# Allegro board T736_DEMO_CORE_AXP8191_LP4_4X_32X1_V0_5-draft.brd (continued)
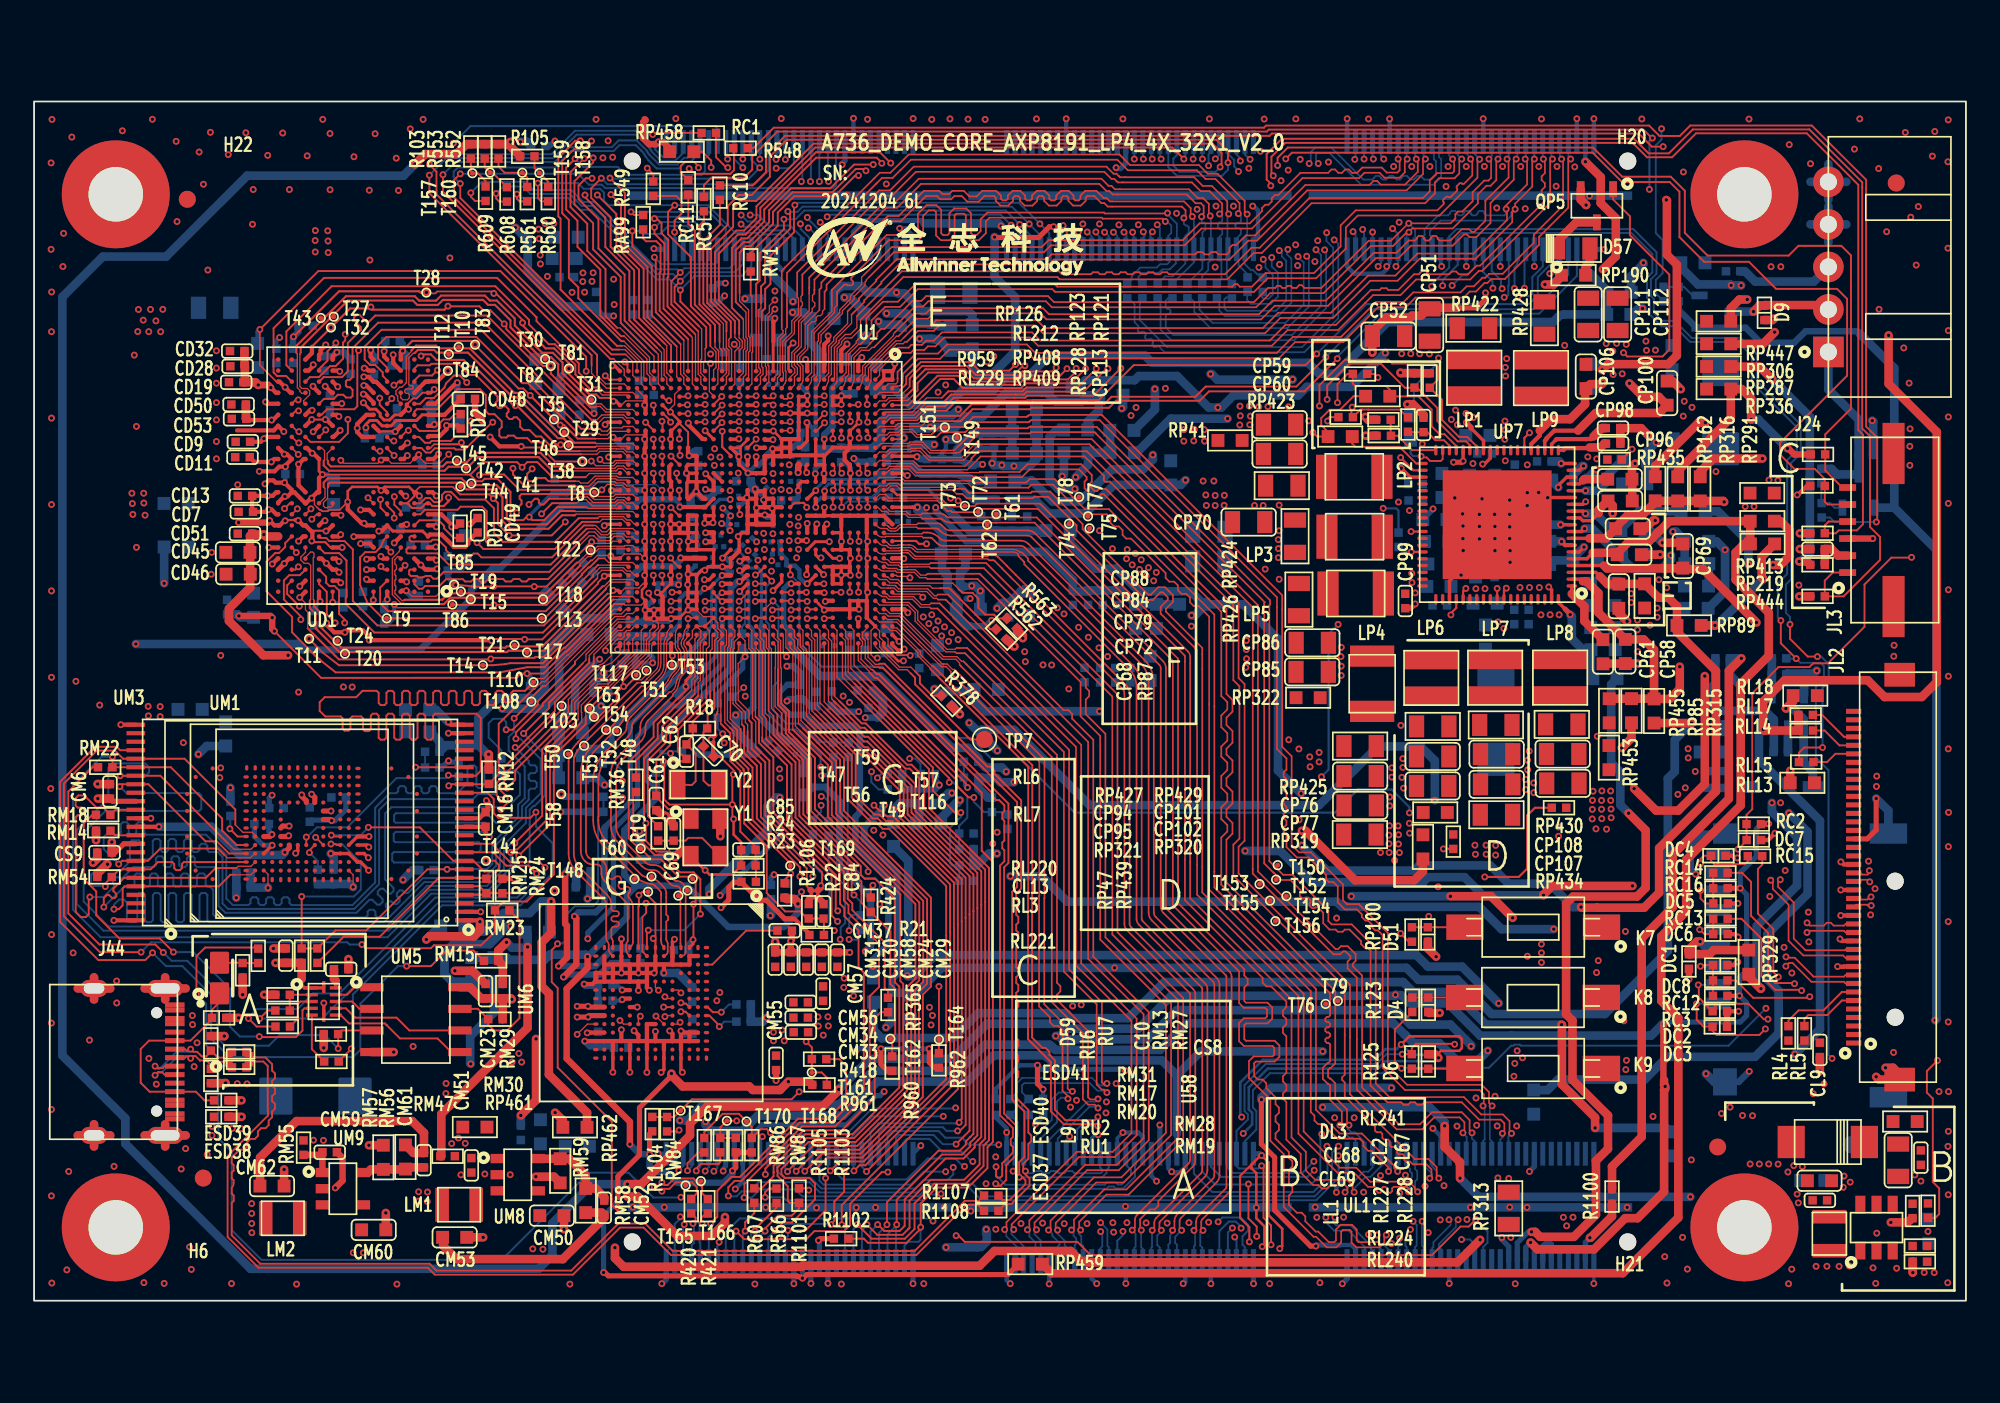
[diagram p0: board, top side]
## Routing (per net, layer and track width the routed paths; a pad name or vN(x,y) marks a point on that pad's centre or on a via; arc(x,y) is an arc through that point) (continued)
  BOTTOM w0.112: v1(57.88,7.26) 58.09,7.26 58.09,7.26 62.76,7.26 63.01,7.51 63.01,7.69 63.14,7.82 J48.85
USB0-DM-C: length 62.2
  TOP w0.112: RU2.1 12.81,14.3 13.59,14.3 13.98,13.91 13.98,13.53 14.16,13.36 14.16,13.08 13.98,12.91 13.98,12.64 14.16,12.47 14.16,12.19 13.98,12.02 13.98,11.74 14.16,11.57 14.16,11.3 13.98,11.12 13.98,10.99 13.98,10.79 13.79,10.59 13.79,10.33 13.6,10.14 13.34,10.14 13.15,9.96 13.15,9.69 12.97,9.51 12.71,9.51 12.52,9.33 12.52,9.06 12.34,8.88 12.07,8.88 11.61,8.42 11.61,8.09 11.72,7.98 11.72,7.65 11.61,7.53 11.61,7.2 11.72,7.09 11.72,6.91 arc(11.69,6.76) 11.61,6.64 11.61,6.3 11.73,6.19 11.73,5.86 11.61,5.75 11.61,3.85 13.29,2.18 23.24,2.18 23.64,1.77 31.56,1.77 34.33,4.54 35.91,4.54 37.52,2.93 51.74,2.93 54.68,5.87 55.5,5.87 R1107.2
USB0-DP: length 46.8
  TOP w0.076: U1.D32 48.92,38.95 49,38.88 49,37.84 49.43,37.41 49.62,37.41 49.66,37.44 49.67,37.44
  TOP w0.112: 49.67,37.44 49.96,37.44 56.01,31.4 56.18,31.4 56.42,31.16 56.42,30.99 57.99,29.42 57.99,24.24 57.7,23.95 57.7,23.61 57.83,23.49 57.83,23.15 57.7,23.03 57.7,22.69 57.83,22.57 57.83,22.23 57.7,22.11 57.7,21.77 57.83,21.65 57.83,21.31 57.7,21.19 57.7,19.6 57.83,19.48 57.83,19.14 57.7,19.02 57.7,18.68 57.83,18.56 57.83,18.22 57.7,18.1 57.7,17.76 57.83,17.64 57.83,17.3 57.7,17.18 57.7,15.45 57.83,15.32 57.83,14.99 57.7,14.86 57.7,14.53 57.83,14.4 57.83,14.07 57.7,13.94 57.7,13.61 57.83,13.48 57.83,13.15 57.7,13.02 57.7,11.93 58.42,11.22 58.42,9.89 58.59,9.72 58.59,9.38 58.42,9.21 58.42,8.35 58.12,8.05 58.12,7.75 v1(58.24,7.62) 58.24,7.62 58.24,7.43 58.48,7.18 58.48,6.75 57.42,5.69 57.06,5.69 R1108.1
  BOTTOM w0.112: v1(58.24,7.62) 58.36,7.5 58.7,7.5 58.82,7.62 59.16,7.62 59.28,7.5 59.62,7.5 59.74,7.62 60.08,7.62 60.2,7.5 60.54,7.5 60.66,7.62 61,7.62 61.12,7.5 62.66,7.5 62.77,7.61 62.77,7.69 62.64,7.82 J48.83
USB0-DP-C: length 61.1
  TOP w0.112: RU1.1 12.82,14.06 13.47,14.06 13.73,13.8 13.73,11.14 13.74,11.12 13.74,10.89 11.37,8.52 11.37,3.75 13.19,1.94 23.14,1.94 23.54,1.53 31.66,1.53 34.43,4.3 35.81,4.3 37.42,2.69 51.84,2.69 54.78,5.63 55.47,5.63 R1108.2
USB0-ID: length 59.6
  TOP w0.114: v1(45.52,6.5) 45.49,6.5 45.39,6.6 R1101.2 ; v1(9.54,18.03) 9.54,20.25 10.05,20.76 13.11,20.76 RU7.2
  L4 w0.114: v1(45.52,6.5) 45.35,6.67 42.97,6.67 41.79,5.49 38.59,5.49 v1(38,6.08)
  BOTTOM w0.114: v1(38,6.08) 37.98,6.06 36.39,6.06 34.93,7.53 32.6,7.53 27.47,2.4 13.37,2.4 11.61,4.15 11.61,8.76 10.83,9.55 10.83,14.3 10.11,15.01 10.11,17.46 v1(9.54,18.03)
USB0-REXT: length 13.6
  TOP w0.114: U1.F26 v1(47.92,41.65)
  L4 w0.076: 48.06,41.3 48.06,41.52 v1(47.92,41.65)
  L4 w0.114: 48.06,41.3 48.08,41.28 48.08,39.78 48.42,39.44 48.42,36.78 49.53,35.67 49.53,31.6 49.21,31.27 49.21,31.11 v1(49.2,31.1)
  BOTTOM w0.114: v1(49.2,31.1) 49.2,31.09 49.19,31.08 49.19,30.89 49.19,30.89 49.19,30.49 49.62,30.06 R20.2
USB0-VBUSDET: length 18.5
  TOP w0.114: RP365.2 49.74,16.96 49.39,16.61 49.39,11.96 47.85,10.42 47.45,10.02 45.21,10.02 42.96,7.77 v1(42.96,7.43)
  L4 w0.114: v1(42.96,7.43) 42.77,7.23 40.35,7.23 39.96,7.61 v1(39.94,7.61)
  BOTTOM w0.114: v1(39.94,7.61) 40.14,7.81 J48.13
USB1-DM: length 47.4
  TOP w0.076: U1.E33 48.42,37.64 49.08,36.99 49.08,36.94 49.09,36.92
  TOP w0.112: v1(56.52,7.88) 56.52,7.32 56.6,7.24 56.76,7.24 56.88,7.35 56.88,7.73 56.88,7.73 56.88,8.08 57.48,8.67 arc(57.5,8.71) 57.51,8.75 57.51,9.04 57.38,9.17 57.38,9.5 57.51,9.63 57.51,10.14 56.75,10.9 56.75,25.58 57.01,25.84 57.01,26.48 56.88,26.6 56.88,26.94 57.01,27.06 57.01,28.21 56.88,28.33 56.88,28.67 57.01,28.79 57.01,29.13 56.7,29.43 56.52,29.43 56.29,29.67 56.29,29.85 49.52,36.61 49.4,36.61 49.09,36.92
  BOTTOM w0.112: v1(56.52,7.88) 56.52,7.37 57.07,6.82 62.9,6.82 63.04,6.96 63.54,6.96 63.67,6.83 63.89,6.83 64.44,7.38 64.44,7.68 64.14,7.99 J48.89
USB1-DP: length 47.4
  TOP w0.076: 49.26,37.09 49.25,37.11 49.19,37.11 48.59,37.71 48.59,38.46 48.67,38.54 48.67,38.75 48.51,38.91 48.51,38.98 U1.E32
  TOP w0.102: 57.75,10.24 56.99,11
  TOP w0.112: 49.26,37.09 49.5,36.85 49.62,36.85 57.24,29.23 57.24,25.74 56.99,25.48 56.99,11 ; 57.75,10.24 57.75,8.61 57.12,7.98 57.12,7.63 57.12,7.63 57.12,7.1 56.77,6.76 56.62,6.76 v1(56.5,6.88)
  BOTTOM w0.112: v1(56.5,6.88) 56.67,6.88 56.97,6.58 63,6.58 63.14,6.72 63.43,6.72 63.55,6.59 63.99,6.59 64.68,7.28 64.68,8.41 64.65,8.44 64.65,8.63 J48.91
USB1-REXT: length 5.9
  TOP w0.076: U1.C32 49.42,39 49.67,38.75 49.67,38.43 50.85,37.25 51.51,37.25 51.76,36.99
  TOP w0.114: R378.2 52.77,35.57 52.04,36.3 52.04,36.71 51.76,36.99
USB2-DM: length 38.5
  TOP w0.076: U1.A31 50.42,39.63 50.5,39.55 50.69,39.55 52.07,38.17 52.07,37.99 52.74,37.32 52.81,37.32 52.83,37.31
  TOP w0.112: v1(62.5,10.81) 62.31,10.62 60.59,10.62 59.98,11.23 59.98,14.13 59.65,14.45 59.65,14.63 59.42,14.87 59.24,14.87 58.63,15.47 58.63,23.95 58.65,23.97 58.65,31.48 52.83,37.31
  BOTTOM w0.112: v1(62.5,10.81) 62.21,10.51 61.72,10.51 61.28,10.08 61.28,9.5 61.14,9.35 J48.77
USB2-DP: length 38.5
  TOP w0.076: 52.66,37.14 52.66,37.19 51.92,37.93 51.92,38.11 50.63,39.4 50.32,39.4 50.07,39.65 U1.B31
  TOP w0.112: 52.66,37.14 58.41,31.39 58.41,24.06 58.4,24.05 58.4,15.74 58.4,15.74 58.4,15.69 58.4,15.69 58.4,15.37 59.74,14.03 59.74,11.13 60.49,10.38 62.4,10.38 v1(62.5,10.28)
  BOTTOM w0.112: v1(62.5,10.28) 62.48,10.29 62.32,10.29 62.31,10.28 61.81,10.28 61.52,9.98 61.52,9.49 61.64,9.38 J48.79
USB2-REXT: length 2.9
  TOP w0.076: 50.72,37.95 50.17,38.5 50.17,38.9 U1.B32
  TOP w0.114: 50.72,37.95 51.45,37.95 51.47,37.93 v1(51.48,37.93)
  BOTTOM w0.114: R379.2 51.58,38.04 v1(51.48,37.93)
USB-UPGRADE-COMBO1-SEL-ADC: length 17.8
  TOP w0.076: U1.G33 47.49,38.58 47.49,36.66 48.06,36.1
  TOP w0.114: 48.06,36.1 52.81,31.35 52.81,29.99 54.1,28.7 v1(54.45,28.7)
  BOTTOM w0.114: v1(54.45,28.7) 54.47,28.68 54.47,28.46 53.82,27.81 53.82,25.71 53.94,25.59 R13.2 54.36,24.74 R12.2
USBVBUS:
  vias: v1(9.3,16.77) v1(9.31,16.23) v1(10.46,10.24) v1(10.46,9.72) v1(11.65,10.13) v1(11.94,12.76) v1(12.17,10.11) v1(12.51,12.75)
VLED0-:
  vias: v1(111.05,1.66) v1(111.63,1.65)
VPS0: length 1.6
  TOP w0.114: UM3.38 4.76,27.36 RM14.1
VPS1: length 48.1
  TOP w0.114: v1(6.96,20.46) 6.54,20.03 3.78,20.03 1.53,22.28 1.53,30.5 3.59,32.57 4.85,32.57 5.06,32.36 UM3.28 ; RM15.1 25.82,20.59 24.23,20.59 23.32,19.67 v1(21.89,19.67)
  BOTTOM w0.114: v1(21.89,19.67) 21.38,19.67 19.17,17.47 19.17,14.75 18.75,14.32 11.48,14.32 10.4,15.41 10.4,17.98 8.71,19.67 7.75,19.67 v1(6.96,20.46)
VREF: length 3.9
  TOP w0.203: UP7.15 v1(91.15,47.62)
  BOTTOM w0.508: v1(91.15,47.62) 91.87,47.62 92.4,48.15 92.4,48.5 93.26,49.36 CP105.2
WL-REG-ON: length 42.6
  TOP w0.076: 42.4,32.55 42.4,34.05 42.21,34.25 42.21,38.14 41.99,38.35 41.99,39.08 U1.V32
  TOP w0.114: v1(47.21,22.3) 46.86,22.65 46.86,24.95 43.21,28.6 43.21,28.62 43.2,28.63 43.2,31.75 42.4,32.55
  L4 w0.114: v1(39.43,7.62) 39.44,7.63 39.44,7.71 39.7,7.98 40.33,7.98 43.87,11.52 47.14,11.52 48.91,13.29 48.91,16.09 46.33,18.67 46.33,21.64 46.99,22.3 v1(47.21,22.3)
  BOTTOM w0.114: v1(39.43,7.62) 39.44,7.63 39.44,7.66 39.64,7.86 J48.11
WL-SDIO-CLK: length 35.1
  TOP w0.114: v1(48.43,66.15) 48.39,66.15 48.36,66.12 48.21,66.12 47.02,64.93 44.65,64.93 43.69,63.97 43.69,63.19 42.1,61.59 RW1.2
  L3 w0.114: v1(72.05,67.58) 71.43,67.58 70.7,68.31 49.74,68.31 48.43,67 v1(48.43,66.15)
  BOTTOM w0.114: J47.62 71.64,67.69 71.75,67.58 v1(72.05,67.58)
WL-SDIO-CMD: length 42.7
  TOP w0.076: 41.45,59.24 41.45,59.04 41.45,59.04 41.45,58.77 41.98,58.25 41.98,56.7 42.07,56.61 42.07,55.84 41.98,55.75 41.98,54.2 U1.V2
  TOP w0.114: 41.45,59.24 41.45,61.62 41.83,62 42.11,62 43.41,63.3 43.41,64.01 44.56,65.16 46.9,65.16 48.27,66.53 48.77,66.53 v1(48.87,66.43)
  L3 w0.114: v1(71.44,67.1) 70.55,68 49.97,68 48.87,66.9 v1(48.87,66.43)
  BOTTOM w0.114: J47.64 71.14,67.38 71.33,67.18 71.36,67.18 v1(71.44,67.1)
WL-SDIO-D0: length 43.6
  TOP w0.076: U1.W1 41.42,55.85 41.61,56.03 41.61,56.42 41.42,56.61 41.42,56.82
  TOP w0.114: 41.42,56.82 41.42,57.62 40.23,58.81 40.23,61.56 41.36,62.68 41.61,62.68 41.61,62.68 41.8,62.68 42.67,63.55 42.67,64.24 45.35,66.93 45.95,67.52 49.69,67.52 v1(50.33,66.88)
  L3 w0.114: v1(70.87,67.01) 70.15,66.29 67.93,66.29 67.52,66.7 64.48,66.7 63.71,67.47 50.92,67.47 v1(50.33,66.88)
  BOTTOM w0.114: J47.66 70.64,67.39 70.84,67.18 70.84,67.03 v1(70.87,67.01)
WL-SDIO-D1: length 43.8
  TOP w0.076: U1.W3 41.67,53.9 41.67,54.3 41.83,54.45 41.83,55.82 41.91,55.91 41.91,56.55 41.83,56.64 41.83,58.11 41.53,58.41
  TOP w0.114: 41.53,58.41 41.23,58.71 41.23,61.76 41.69,62.22 41.99,62.22 42.01,62.22 43.18,63.4 43.18,63.92 43.18,64.11 44.47,65.39 46.78,65.39 48.18,66.79 v1(49.3,66.79)
  L3 w0.114: v1(70.76,66.38) 70.75,66.37 70.75,66.26 70.53,66.04 67.85,66.04 67.48,66.41 64.37,66.41 63.59,67.2 51.21,67.2 50.49,66.48 49.61,66.48 49.33,66.76 49.33,66.76 v1(49.3,66.79)
  BOTTOM w0.114: v1(70.76,66.38) 70.75,66.39 70.75,66.44 70.51,66.68 70.51,67.06 70.49,67.07 70.49,67.07 70.14,67.43 J47.68
WL-SDIO-D2: length 44.3
  TOP w0.114: U1.V6 42.39,52.15 v1(42.42,52.18)
  L4 w0.114: v1(42.42,52.18) 42.09,52.52 42.09,53.34 42.17,53.42 42.17,57.38 41.18,58.37 41.18,59.15 41.21,59.18 41.21,60.97 43.56,63.32 43.56,64.79 45.17,66.39 46.94,66.39 47.89,65.44 49,65.44 49.8,66.25 66.15,66.25 66.75,66.85 66.75,67.48 66.98,67.71 69.03,67.71 69.38,67.36 69.38,67.15 v1(69.4,67.13)
  BOTTOM w0.114: v1(69.4,67.13) 69.64,67.37 J47.70
WL-SDIO-D3: length 41.5
  TOP w0.114: U1.V7 42.4,51.65 v1(42.42,51.67)
  L4 w0.076: 42.72,53.54 42.74,53.52 42.74,51.99 v1(42.42,51.67)
  L4 w0.114: 42.72,53.54 42.72,57.92 42.25,58.39 42.25,60.05 43.95,61.75 47.16,61.75 51.39,65.98 66.38,65.98 67.07,66.67 67.07,67.36 67.18,67.48 68.79,67.48 69,67.27 v1(69,66.73)
  BOTTOM w0.114: J47.72 69.14,67.52 69,67.38 v1(69,66.73)
WL-WAKE-AP: length 3.4
  TOP w0.114: v1(38.9,7.63) 38.9,7.77 39.18,8.05 40.2,8.05 40.32,8.16 RW87.2
  BOTTOM w0.114: J48.9 39.14,7.87 v1(38.9,7.63)
WREQIN: length 96.7
  TOP w0.114: v1(39.42,40.61) 39.47,40.65 U1.AB29 ; v1(34.47,5.3) 34.28,5.3 33.94,5.64 33.94,5.68 33.94,5.68 33.94,5.98 33.94,5.98 33.94,10.53 30.77,13.71 30.77,18.38 30.41,18.73 30.41,20.62 30.76,20.96 v1(30.76,20.98)
  L4 w0.114: v1(34.47,5.3) 34.54,5.3 38.1,1.73 45.24,1.73 45.52,1.46 72.64,1.46 73.32,2.13 82.15,2.13 83.61,3.6 v1(83.87,3.6) ; v1(34.57,29.57) 34.71,29.57 35,29.85 35,31.98 37.88,34.86 37.88,37.02 39.42,38.57 v1(39.42,40.61)
  BOTTOM w0.114: J48.152 84.64,3.32 84.36,3.6 v1(83.87,3.6) ; v1(30.76,20.98) 30.78,21.01 31.04,21.01 31.25,21.22 31.25,22.67 31.77,23.2 32.85,23.2 33.14,23.49 33.14,28.43 R15.2 R17.2 33.51,29.57 v1(34.57,29.57)
X32KIN: length 10.7
  TOP w0.076: 39.72,35.84 39.72,38.19 39.84,38.31 39.84,39.06 U1.AB32
  TOP w0.114: Y2.1 38.65,30.32 38.87,30.54 38.87,32.17 C62.1 38.33,32.82 38.7,33.19 R18.1 38.7,34.05 39.72,35.08 39.72,35.84
X32KOUT: length 10.6
  TOP w0.076: U1.AB31 39.92,39.54 40.17,39.29 40.17,39 39.99,38.82 39.99,38.22 39.96,38.18 39.96,35.9
  TOP w0.114: Y2.2 39.63,30.29 39.33,30.57 C70.1 39.33,33.43 R18.2 39.57,33.67 39.57,34.43 39.96,34.81 39.96,35.9
N17467629: length 3.1
  TOP w0.114: K8.2 81.92,17.83 D4.2 R123.2
N17471203: length 3.1
  TOP w0.114: R125.2 81.91,13.64 D6.2 84.05,13.64 K9.2
N17526892: length 5.8
  BOTTOM w0.508: J24.3 104.56,59.91 101.12,59.91 100.52,60.52 R143.2
N17526894: length 10.3
  BOTTOM w0.508: J24.1 105.42,53.57 107.2,51.79 D8.2 107.2,49.73 R142.1 arc(107.19,49.15) Q6.3 105.94,48.57 105.6,48.91 R141.2
N17526923: length 2.3
  BOTTOM w0.114: R145.1 96.62,59.61 R144.2 96.93,59.6 97.43,59.1 Q7.2
N17526934: length 5.9
  TOP w0.508: v1(101.02,58.15) 101.37,58.5 D9.2 101.69,58.53 105.16,58.53 J24.2
  BOTTOM w0.508: Q7.3 v1(101.02,58.15)
N17534062: length 2.5
  BOTTOM w0.114: R141.1 105.01,46.91 R140.1 105.5,46.89 105.77,46.62 Q6.2
N19247332: length 1.2
  TOP w0.114: UD1.A5 19.94,41.21 v1(19.93,41.19)
  BOTTOM w0.114: v1(19.93,41.19) 19.57,40.83 RD3.1
N19247333: length 1.4
  TOP w0.114: UD1.A8 v1(17.54,41.06)
  BOTTOM w0.114: v1(17.54,41.06) 17.88,41.06 RD4.1
N19247415: length 3.4
  TOP w0.114: UD1.T2 22.64,51.13 23.66,51.13 23.86,51.33 23.86,51.62 24.05,51.81 24.4,51.81 24.72,52.12 RD2.1
N19247416: length 3.3
  TOP w0.114: UD1.G2 22.64,45.88 23.76,45.88 24.09,45.55 24.09,45.4 24.65,44.84 RD1.1
N19259635: length 1.8
  TOP w0.114: UM1.T5 16.18,26.47 v1(16.18,26.34)
  BOTTOM w0.114: v1(16.18,26.34) 16.68,25.85 RM9.2
N19259639: length 1.9
  TOP w0.114: UM1.H6 11.96,27.29 v1(11.5,27.74)
  BOTTOM w0.114: RM10.2 11.53,27.77 v1(11.5,27.74)
N19391444: length 9.1
  BOTTOM w0.508: RL8.2 CL10.1 98.78,36.3 98.36,35.88 QL1.1 98.36,35.01 98.69,34.67 101.7,34.67 102.21,34.17 102.21,32.28 RL10.2
N19391490: length 2.2
  BOTTOM w0.508: RL11.2 RL12.2 102.1,35.6 QL2.1
N19391591: length 1.4
  BOTTOM w0.508: QL2.3 103.04,32.26 RL10.1
N19391645: length 2.9
  TOP w0.114: RL17.1 104.51,34.44 105.05,34.44 106.34,33.15 JL2.37
N19391676:
  vias: v1(108.24,30.23) v1(108.26,30.84)
N19391686: length 4.9
  TOP w0.114: RL4.2 103.07,16.47 103.67,17.07 105.13,17.07 106.21,18.15 JL2.7
N19391690: length 3.8
  TOP w0.114: JL2.6 106.21,17.65 105.36,16.8 104.24,16.8 104.01,16.56 RL5.2
N19391701: length 2.6
  TOP w0.114: RL15.1 105.34,31.67 105.83,32.15 JL2.35
N19391883: length 2.8
  TOP w0.114: JL2.36 106.07,32.65 105.19,33.52 RL14.2
N20427024: length 5.3
  TOP w0.114: v1(36.89,47.65) 36.92,47.61 U1.AH16
  BOTTOM w0.076: v1(36.89,47.65) 36.56,47.97 34.23,47.97 34.11,48.09 32.92,48.09 RD5.1
N20734199: length 0.5
  TOP w0.114: U1.AJ16 36.42,47.61 v1(36.38,47.65)
N20734202: length 2.8
  TOP w0.076: T8.1 33.17,47.28 34.04,47.28 34.16,47.4 35.17,47.4 U1.AL16
N21635434: length 5
  TOP w0.114: UM6.A3 39.84,19.76 41.84,21.76 CM37.1
N21635440: length 2.1
  TOP w0.114: UM6.A8 39.58,17.26 39.88,16.96 v1(40.38,16.96)
  BOTTOM w0.114: CM39.1 40.83,17.42 v1(40.38,16.96)
N21636269: length 12.6
  TOP w0.508: RM58.2 33.36,5.18 CM52.2 33.5,4.88 31.06,2.44 24.83,2.44 24.04,3.23 24.04,3.69
  vias: v1(22.59,6.4) v1(22.58,5.86) v1(23.11,6.39) v1(23.1,5.83)
N21636295: length 5.5
  TOP w0.508: UM8.5 29.63,8.35 RM59.2 31.43,8.35 32.41,7.37 RM58.1 32.99,6.6 33.5,6.09 CM52.1
N21637919: length 2.2
  TOP w0.114: v1(40.26,16.11) 40.26,16.18 39.67,16.76 UM6.A9
  BOTTOM w0.114: v1(40.26,16.11) 40.55,16.4 CM35.1
N22736460: length 3
  TOP w0.114: RP128.2 80.75,51.06 CP113.2 81.86,51.06 82.33,50.59 82.83,50.59 83.16,50.26 UP7.36
N22835073: length 11.5
  TOP w0.114: v1(40.42,40.61) 40.47,40.65 U1.Y29
  L4 w0.076: v1(40.42,40.61) 40.09,40.27 40.09,35.55
  L4 w0.114: v1(37.39,32.17) 37.39,32.84 40.09,35.55
  BOTTOM w0.114: CPU-PLL-TEST.1 36.96,32.17 v1(37.39,32.17) 37.51,32.3 R71.1
N22835075: length 15.5
  TOP w0.114: U1.AB28 39.46,41.15 v1(39.42,41.11)
  L4 w0.114: v1(39.42,41.11) 38.99,40.68 38.99,38.9 37.62,37.53 37.62,35.49 34.56,32.43 v1(34.56,30.55)
  BOTTOM w0.114: R70.1 34.13,31.58 34.56,31.16 v1(34.56,30.55) 34.58,30.53 PLL-TEST.1
N22838900: length 4.2
  TOP w0.114: Y1.3 39.25,27.21 38.44,27.21 38.27,27.05 C69.1 R19.2
N22841119: length 11.3
  TOP w0.114: U1.H27 v1(47.41,41.65)
  L4 w0.254: v1(47.41,41.65) 47.41,41.59 47.8,41.19 47.8,39.62 48.11,39.31 48.11,36.63 49.06,35.68 49.06,34.5 v1(48.83,34.28)
  BOTTOM w0.381: 49.55,34.28 v1(48.83,34.28)
  BOTTOM w0.508: 49.55,34.28 49.87,34.6 C3.2 49.87,35.28 R72.2
N22841132: length 10.7
  TOP w0.178: U1.K26 v1(46.41,42.15)
  L4 w0.178: v1(48.45,34.63) 48.45,35.71 47.74,36.42 47.74,39.26 47.51,39.5 47.51,40.99 47.44,41.06 47.44,41.08 47.04,41.48 47.04,41.66 46.97,41.73 46.97,41.73 46.68,42.03 46.56,42.15 v1(46.41,42.15)
  BOTTOM w0.381: C4.2 47.22,34.62 48.44,34.62 v1(48.45,34.63)
N22841156: length 10.6
  TOP w0.114: v1(45.9,48.61) 45.9,48.6 45.9,48.6 45.9,48.55 45.92,48.52
  TOP w0.178: U1.K14 45.92,48.59 v1(45.9,48.61) ; v1(45.37,41.65) 45.37,41.65 U1.M27
  L4 w0.254: 44.97,42.97 44.97,41.89 45.22,41.65 v1(45.37,41.65)
  L4 w0.305: v1(45.9,48.61) 45.9,48.28 45.47,47.85 45.47,47.38 45.17,47.08 44.89,47.08 44.58,46.78 44.58,46.48 43.91,45.81 43.91,43.7 44.37,43.24 44.69,43.24 44.97,42.97
  BOTTOM w0.305: R1109.2 45.9,48.93 v1(45.9,48.61)
N22844009: length 9.1
  TOP w0.076: 51.5,36.89 51.29,37.1 50.79,37.1 49.42,38.46 U1.C33
  TOP w0.114: 51.5,36.89 51.76,36.63 51.76,36.24 55.01,32.99 TP7.1
N22846930: length 8.4
  TOP w0.076: U1.C25 49.67,42.4 50.08,42.4 50.27,42.2 50.65,42.2 50.66,42.2 50.73,42.2 50.9,42.03 52.63,42.03 52.77,41.89 53.24,41.89
  TOP w0.114: R562.2 56.18,39.48 53.77,41.89 53.24,41.89
N22846932: length 8.6
  TOP w0.076: U1.B25 50.01,42.56 50.13,42.56 50.14,42.55 50.16,42.55 50.32,42.4 50.75,42.4 50.79,42.35 50.8,42.35 50.96,42.19 53.98,42.19 54.3,41.86
  TOP w0.114: 54.3,41.86 54.52,41.64 54.57,41.64 54.6,41.62 55.14,41.62 55.48,41.27 55.48,40.73 55.88,40.33 56.4,40.33 56.62,40.11 R563.2
N22847489: length 11.2
  TOP w0.254: U1.J16 46.44,47.17 46.44,47.51 46.44,47.51 v1(46.44,47.6)
  BOTTOM w0.178: v1(46.44,47.6) 46.44,47.78 46.68,48.02 53.85,48.02
  BOTTOM w0.305: 54.97,47.37 54.32,48.02 53.85,48.02
  BOTTOM w0.508: 54.97,47.37 55.25,47.08 R430.2
N22856651: length 14.2
  TOP w0.076: 31.78,37.58 34.27,40.07 34.85,40.07 U1.AM30
  TOP w0.114: v1(27.74,33.57) 28.11,33.57 29.6,35.05 29.6,35.24 31.78,37.43 31.78,37.58
  BOTTOM w0.114: RM1.1 27.45,32.36 26.71,33.1 26.71,33.95 26.97,34.21 27.55,34.21 27.74,34.02 v1(27.74,33.57)
N22863020: length 18.4
  TOP w0.114: v1(40.76,66.61) 40.68,66.61 40.07,67.22 RC1.1 ; U1.AB6 v1(40.42,52.65)
  L4 w0.076: v1(40.42,52.65) 40.76,52.98 40.76,53.68 40.73,53.71
  L4 w0.114: 40.73,53.71 40.73,55.82 39.25,57.3 39.25,61.76 40.25,62.76 40.25,65.61 40.76,66.12 v1(40.76,66.61)
N22863385: length 1.3
  TOP w0.114: v1(41.42,53.21) 41.36,53.15 U1.Y4
  BOTTOM w0.114: v1(41.42,53.21) 41.48,53.27 RW83.1
N22863401: length 7
  TOP w0.076: U1.V3 42.17,53.9 42.17,55.73 42.22,55.78 42.22,56.67 42.17,56.72 42.17,59.04
  TOP w0.114: 42.17,59.04 42.1,59.12 RW1.1
N22874737: length 40.9
  TOP w0.076: U1.R33 43.56,38.52 43.56,37.22 43.54,37.2 43.54,34.94 43.92,34.55
  TOP w0.114: 43.92,34.55 43.92,33.33 45.42,31.83 45.42,28.69 45.55,28.56 47.76,26.35 47.95,26.16 48.49,25.63 48.57,25.54 48.57,25.04 48.8,24.8 49.41,24.8 50.58,23.63 50.58,18.71 50.83,18.46 50.83,12.54 48.08,9.79 45.31,9.79 43.45,7.93 43.45,7.55 43.45,7.32 42.73,6.6 R607.1
N22874740: length 52.5
  TOP w0.076: 43.71,37.13 43.71,38.74 43.42,39.03 U1.R32
  TOP w0.114: 43.71,37.13 43.71,35.03 44.16,34.58 44.16,33.51 44.16,33.51 44.16,33.36 45.65,31.87 45.65,28.79 47.86,26.58 48.05,26.39 48.72,25.72 48.72,25.72 49,25.43 v1(49,25.23) ; v1(42.95,6.08) 42.95,6.37 43.17,6.6 R566.1
  L4 w0.114: v1(49,25.23) 49.47,24.76 53,24.76 55.17,22.58 55.17,13.55 53.05,11.43 53.05,10.53 53.34,10.25 53.34,8.08 53.19,7.94 53.19,6.39 53.28,6.31 v1(53.28,6.28)
  BOTTOM w0.114: v1(42.95,6.08) 44.01,6.08 44.18,5.91 52.2,5.91 52.53,6.24 53.21,6.24 53.25,6.28 v1(53.28,6.28)
N22874917: length 13.9
  TOP w0.114: U1.P30 43.43,40.15 v1(43.37,40.09)
  L4 w0.114: v1(46.25,29.65) 46.25,29.74 45.82,30.17 45.82,32.18 43.83,34.17 43.83,37.11 43.37,37.57 v1(43.37,40.09)
  BOTTOM w0.114: v1(46.25,29.65) 46.3,29.65 46.31,29.64 46.4,29.64 46.67,29.36 RP391.1
N22875204: length 14.6
  TOP w0.114: v1(43.38,40.6) 43.42,40.6 43.47,40.65 U1.P29
  L4 w0.114: v1(43.38,40.6) 43.38,40.58 43.04,40.23 43.04,37.49 43.58,36.94 43.58,34.05 45.53,32.11 45.53,29.83 46.23,29.12 v1(46.24,29.12)
  BOTTOM w0.114: RP388.1 46.24,28.74 v1(46.24,29.12)
N23161063: length 4.2
  TOP w0.114: RC14.2 98.65,25.15 RC16.1 98.66,24.25 DC5.2 98.2,23.36 97.91,23.65 v1(97.91,24.11)
  BOTTOM w0.114: v1(97.91,24.11) 98.89,24.11 JC1.7
N23161069: length 5.1
  TOP w0.114: v1(97.91,25.7) 97.91,25.97 98.1,26.16 DC4.2 98.53,25.84 98.71,25.67 100.52,25.67 100.68,25.84 RC15.2
  BOTTOM w0.114: JC1.8 98.44,25.16 v1(97.91,25.7)
N23161083: length 139.8
  TOP w0.114: v1(95.71,67.84) 95.04,67.84 94.27,68.62 72.72,68.62 72.58,68.48 44.12,68.48 43,67.36 43,66.35 42.22,65.57 RC10.2 ; v1(101.72,15.98) 101.36,15.62 98.85,15.62 98.61,15.86 DC3.2 98.59,16.12 98.08,16.12 97.68,16.52 97.68,17.44 v1(97.67,17.45)
  L4 w0.114: v1(101.72,15.98) 103.16,15.98 103.45,15.69 106.51,15.69 112.02,21.21 112.02,65.57 108.57,69.03 96.89,69.03 v1(95.71,67.84)
  BOTTOM w0.114: JC1.1 97.68,17.46 v1(97.67,17.45)
N23161095: length 142.4
  TOP w0.114: v1(97.77,18.56) 97.81,18.53 97.81,17.83 98.03,17.6 98.03,17.58 98.55,17.06 98.62,17.06 ; 98.62,17.06 DC2.2 ; 98.62,17.06 98.62,17.14 98.94,17.46 100.71,17.46 101.62,16.55 v1(101.87,16.55) ; RC11.2 37.99,66.32 37.99,66.72 38.23,66.95 38.77,66.95 39.01,66.71 39.01,66.64 39.04,66.61 v1(39.04,66.61)
  L4 w0.114: v1(39.04,66.61) 39.04,66.61 39.06,66.63 39.06,67.48 40.43,68.85 69.57,68.85 69.6,68.88 94.04,68.88 95.46,67.46 96.06,67.46 97.4,68.8 108.47,68.8 111.79,65.47 111.79,21.55 106.27,16.02 103.67,16.02 103.14,16.55 v1(101.87,16.55)
  BOTTOM w0.114: v1(97.77,18.56) JC1.2
N23161107: length 3.6
  TOP w0.114: DC8.2 98.64,19.73 ; 98.64,19.73 RC12.2 98.64,18.83 RC3.1 ; 98.64,19.73 97.96,19.73 v1(97.9,19.66)
  BOTTOM w0.114: JC1.3 v1(97.9,19.66)
N23161119: length 2.9
  TOP w0.114: v1(97.85,21.82) 97.87,21.82 98.14,21.55 DC6.2 RC13.2
  BOTTOM w0.114: v1(97.85,21.82) 97.9,21.86 JC1.5
N23161229: length 119.1
  TOP w0.114: RC5.2 39.35,65.59 39.78,66.02 41.71,66.02 42.19,66.5 42.19,67.26 43.67,68.73 72.42,68.73 72.54,68.85 94.55,68.85 95.05,68.35 v1(95.07,68.35) ; v1(100.11,26.54) 100.61,27.04 DC7.2 100.61,28.01 RC2.1 100.61,28.56 100.95,28.9 100.95,35.71 102.49,37.25 104.3,37.25 104.52,37.47 105.39,37.47 107.54,39.62 107.54,42.11 109.12,43.68 110.29,43.68 v1(110.3,43.7)
  L4 w0.114: v1(110.3,43.7) 110.58,43.97 110.58,56.61 107.57,59.62 102.02,59.62 100.93,60.7 98.83,60.7 94.9,64.63 v1(94.9,65.33)
  BOTTOM w0.114: v1(94.9,65.33) 94.9,68.18 v1(95.07,68.35) ; v1(100.11,26.54) 99.88,26.54 99.6,26.26 JC1.9
N23273535: length 3.1
  TOP w0.114: K7.2 84.07,21.96 D51.2 80.95,21.96 RP100.1
N23277389: length 3.2
  TOP w0.508: D57.2 89.5,62.29 90.6,63.39 QP5.3
N23277413: length 1.7
  TOP w0.508: RP190.2 91.16,60.8 91.4,61.04 D57.1
N23277426: length 29.7
  TOP w0.114: QP5.1 92.77,64.75 93.76,63.76 93.76,62.64 96.07,60.33 96.07,55.91 95.67,55.51 93.6,55.51 v1(93.38,55.73)
  L3 w0.114: v1(93.38,55.73) 92.97,55.32 91.45,55.32 90.61,56.17 v1(89.92,56.17)
  L4 w0.114: v1(89.92,56.17) 89.72,56.37 83.47,56.37 v1(82.52,55.42)
  BOTTOM w0.114: v1(82.52,55.42) 82.52,55.17 81.07,53.73 81.07,52.21 RP191.2
N23290165: length 3.7
  TOP w0.508: UM9.5 19.6,7.53 19.79,7.72 RM57.2 21.8,7.72 RM56.1 21.92,7.84 CM61.1
N23290214: length 2.4
  TOP w0.381: UM9.1 CM59.2 16.79,8.57 RM55.2
N23335219: length 2.3
  TOP w0.114: D59.1 12.24,19.87 RU6.1 13.17,19.85 RU7.1
N23453672: length 4
  TOP w0.508: v1(91.41,3.7) 91.45,3.7 92.71,4.96 R1100.1
  BOTTOM w0.305: v1(91.41,3.7) 91.14,3.44 J48.178
N23494472:
  vias: v1(100.82,8.04) v1(101.36,8.04) v1(101.91,8.04) v1(102.46,8.03) v1(104.69,2.02) v1(105.33,2.03) v1(106.05,2.02) v1(106.64,2.05)
N23494551:
  vias: v1(106.34,7.33) v1(106.29,6.67) v1(106.7,6.97)
N227593604: length 9.8
  TOP w0.076: 38.42,56.53 U1.AE1
  TOP w0.114: 38.42,56.53 36.76,58.2 36.76,60.44 36.81,60.49 36.81,62.04 36.56,62.28 35.95,62.28 35.78,62.45 RA99.2
N2163692154: length 1.3
  TOP w0.076: v1(31.91,15.66) 32.51,16.26 UM6.P10
N2163692155: length 0.7
  TOP w0.076: v1(34.42,16.47) 34.63,16.26 UM6.K10
N2163692156: length 0.5
  TOP w0.076: v1(35.62,16.73) 35.51,16.62 UM6.J10
N2163692157: length 0.6
  TOP w0.076: v1(36.68,18.25) 36.51,18.43 UM6.G5
N2163692158: length 0.7
  TOP w0.076: UM6.F10 v1(36.54,16.73)
N2163692159: length 0.5
  TOP w0.076: UM6.E10 37.85,16.26 v1(37.95,16.37)
N2163692160: length 0.5
  TOP w0.076: v1(37.06,16.7) 37.13,16.76 UM6.E9
N2163692161: length 0.5
  TOP w0.076: UM6.E7 37.17,17.76 v1(37.06,17.87)
N2163692162: length 0.6
  TOP w0.076: v1(38,18.1) 37.84,18.26 UM6.E6

## Copper pours and planes (outline as drawn; the poured copper is in the pictures)
AGND on BOTTOM: 45.68,36.28 48.74,36.28 48.87,36.16 49.4,36.16 49.41,36.16 49.49,36.08 49.49,34.63 49.46,34.6 48.89,34.6 48.55,34.93 47.62,34.93 47.05,35.49 45.81,35.49 45.62,35.68 45.62,36.22
AGND on L4: 47.25,40.98 47.25,36.23 48.14,35.35 48.14,34.96 48.01,34.84 47.88,34.84 46.74,35.98 46.74,40.55 46.18,41.11 46.18,41.7 46.32,41.83 46.6,41.83 46.78,41.65 46.78,41.45
AVCC on TOP: 94.22,41.12 94.22,40.27 94.53,39.96 94.53,39.56 94.62,39.47 95.6,39.47 95.77,39.64 95.77,40.83 95.62,40.98 95.15,40.98 94.98,41.15 94.26,41.15
AVCC on BOTTOM: 94.86,41.01 95.93,41.01 96.23,40.72 96.23,36.52 95.6,35.9 95.6,29 95.61,28.99 95.61,25.36 96.24,24.74 96.24,21.77 92.17,17.7 86.73,17.7 84.09,20.34 84.05,20.34 83.49,20.9 58.26,20.9 54.95,24.21 54.95,24.95 55.11,25.12 55.79,25.12 55.96,25.29 55.96,25.29 57,26.32 57,26.93 56.98,26.93 56.74,27.17 54.96,27.17 54.91,27.22 54.91,27.73 55.18,28 57.62,28 58,27.62 58,26.03 57.18,25.21 57.18,24.46 58.64,23.01 84.5,23.01 87.99,19.52 90.27,19.52 93.99,23.24 93.99,36.55 94.68,37.24 94.68,40.83
VCC33-18-USB on TOP: 92.03,34.39 92.83,34.39 92.94,34.27 92.94,32.31 92.9,32.26 92.07,32.26 91.91,32.42 91.91,32.43 91.64,32.7 91.64,34
VCC-1V8 on BOTTOM: 88.44,7.94 88.44,9.45 87.67,10.22 87.67,11.33 87.79,11.45 88.56,11.45 88.77,11.25 88.77,10.06 89.3,9.52 89.3,7.93 89.26,7.89 89.02,7.89 88.97,7.93 88.97,9.33 88.9,9.4 88.8,9.4 88.77,9.37 88.77,7.95 88.72,7.9 88.48,7.9
VCC-3V3 on TOP: 98.75,11.98 98.75,10.85 98.99,10.6 99.84,10.6 100.59,11.36 105.02,11.36 105.6,11.94 105.6,12.93 105.52,13 104.89,13 104.87,12.99 99.76,12.99
VCC-3V3 on BOTTOM: 89.48,7.91 89.56,7.84 90.73,7.84 90.8,7.91 90.8,10.32 91.18,10.7 94.47,10.7 94.48,10.72 98.34,10.72 98.34,10.72 99.59,10.72 99.9,11.03 99.9,12.03 99.7,12.23 90.22,12.23 89.06,11.07 89.06,9.93 89.48,9.51
VCC-3V3 on BOTTOM: 97.85,60.19 97.94,60.11 99.46,60.11 99.69,60.34 99.69,60.94 99.76,61.01 101.37,61.01 101.52,60.85 101.54,60.85 101.83,60.56 102.74,60.56 102.87,60.69 102.87,61.27 102.33,61.81 98.24,61.81 97.85,61.43
VCC-3V3 on L3: 101.8,61.04 101.59,60.84 101.59,60.42 103.85,58.16 103.85,55.08 107.12,51.82 107.12,15.19 104.13,12.2 104.13,11.74 104.33,11.54 105.62,11.54 110.81,16.73 110.81,45.22 110.81,56.7 106.33,61.04
VCC-3V3-DEV on BOTTOM: 90.98,9.39 90.98,7.95 91.05,7.88 96.35,7.88 96.61,8.14 96.61,8.96 96.47,9.1 95.35,9.1 94.82,9.64 94.82,9.64 91.22,9.64
VCC-3V3-PCIE on TOP: 85.96,4.96 87.33,4.96 87.4,4.88 87.4,3.64 87.14,3.37 86.15,3.37 85.89,3.63 85.89,4.89
VCC-DRAM on BOTTOM: outline of 89 points within 11.12,44.58 39.68,60.32
VCC-DRAML on BOTTOM: 26.33,42.65 25.51,41.84 25.51,40.91 22.18,37.58 20.9,37.58 18.96,35.64 9.58,35.64 9.48,35.55 9.48,33.87 9.72,33.63 19.59,33.63 19.59,33.64 19.74,33.64 21.49,35.38 26.5,35.38 30.02,38.9 30.02,40.77 32.95,43.7 32.95,44.18 33.08,44.32 33.57,44.32 33.94,44.69 38.25,44.69 39.01,45.45 40.04,45.45 40.15,45.55 40.15,45.77 39.58,46.34 39.58,46.34 39.52,46.4 31.58,46.4 27.83,42.65
VCC-IO on BOTTOM: 33.87,58.82 34.49,58.82 35.06,58.25 38.35,58.25 40.57,56.02 40.78,56.02 40.86,55.93 40.86,55.57 40.72,55.42 39.41,55.42 39.09,55.74 39.09,56.14 37.57,57.65 34.51,57.65 33.78,58.39 33.78,58.73
VCC-IO on L4: 34.57,61.42 33.68,61.42 33.43,61.17 33.43,58.47 33.6,58.3 34.49,58.3 34.72,58.53 34.72,61.27
VCC-LCD on TOP: 102.79,15.56 104.46,15.56 104.68,15.78 105.43,15.78 106.44,16.79 107.42,16.79 107.5,16.71 107.5,15.62 107.36,15.48 106.35,15.48 105.74,14.88 104.45,14.88 103.74,14.17 102.8,14.17 102.69,14.29 102.69,15.46
VCC-NAND on BOTTOM: 14.98,26.16 15.06,26.23 15.06,26.51 15.7,27.15 15.7,28 15.79,28.1 15.79,28.47 15.92,28.6 17.63,28.6 17.63,28.59 17.72,28.68 17.72,29.94 17.52,30.14 16.33,30.14 16.07,29.88 16.07,29.87 15.67,29.48 14.67,29.48 14.28,29.08 14.28,26.3 14.44,26.14 14.45,26.16
VCC-PC on TOP: 15.38,9.99 17.2,9.99 17.38,9.81 17.38,9.27 17.24,9.13 15.43,9.13 15.32,9.24 15.32,9.93
